# Altium PCB ECG_Ctrl_V1.0_ZM_20211208.PcbDoc (part 2 of 2)
Units mm, origin at the board's own origin, x right, y up, seen from the top; angles counter-clockwise.
Board outline 95.22 x 89.27 mm, 2 copper layers (Top Layer, Bottom Layer); 220 components, 162 nets, 692 pads, 673 vias.
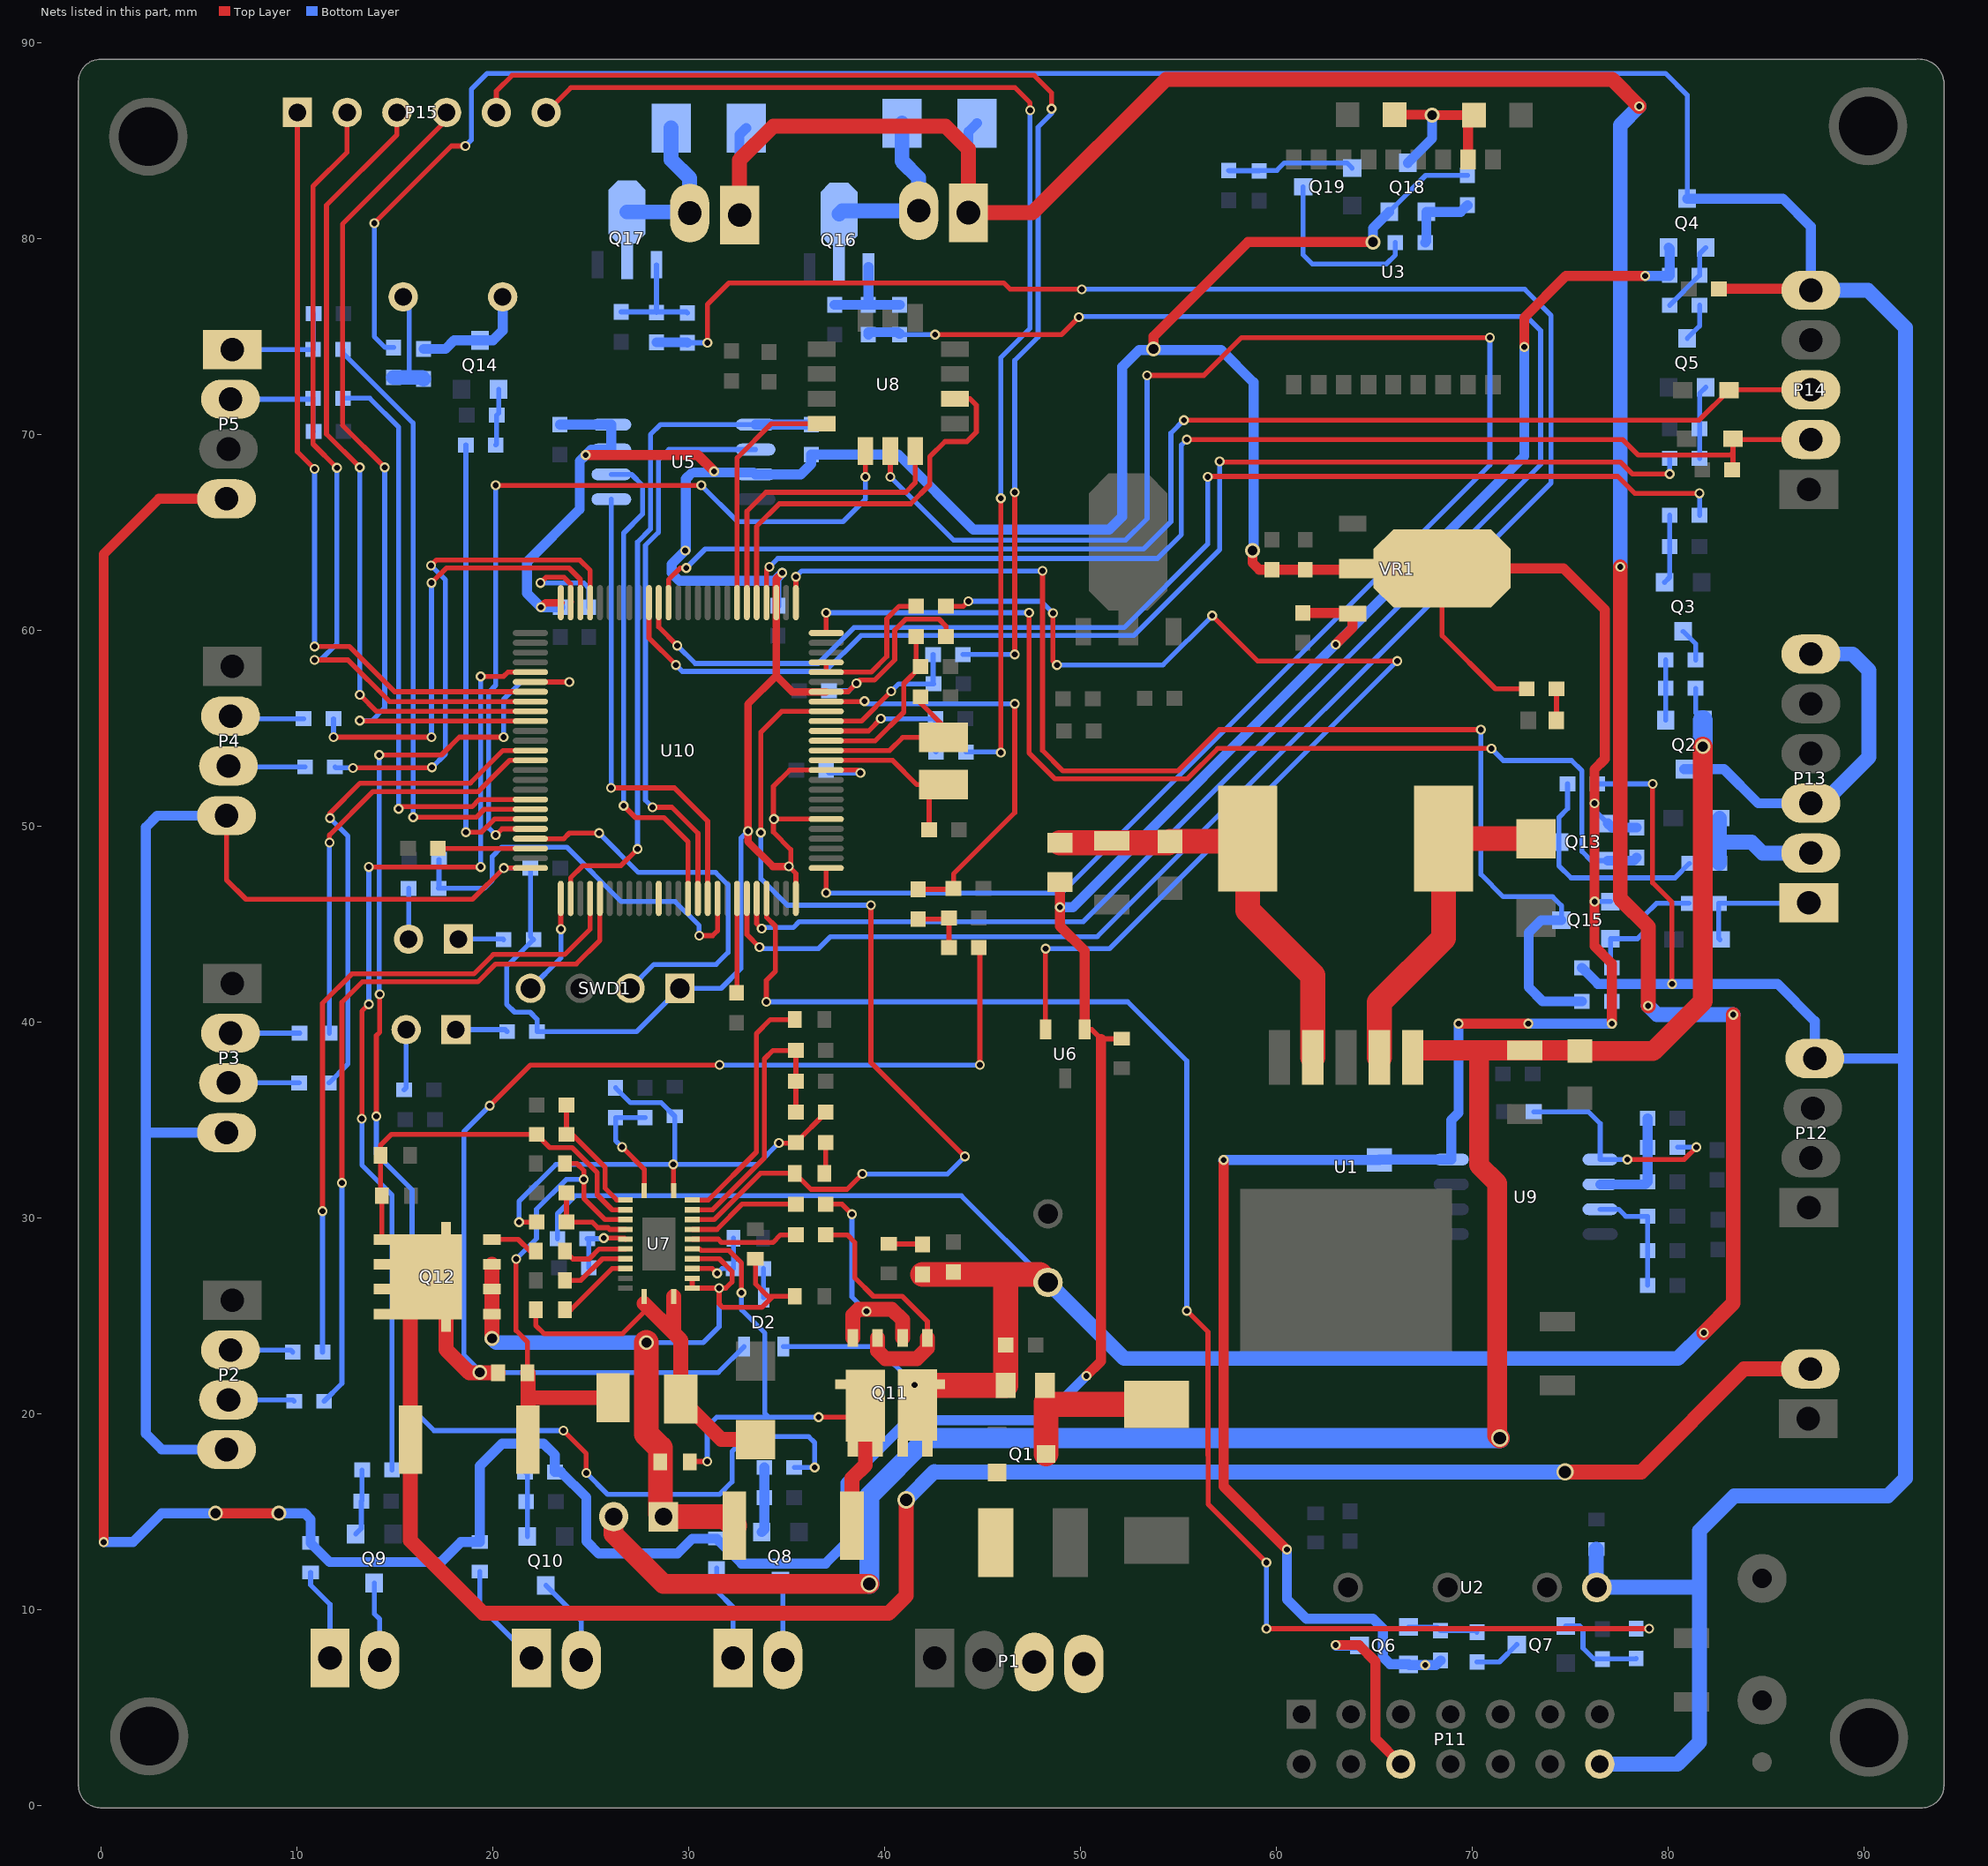
[diagram p2: the nets of this part, all layers, seen from the top]

## Via types
v1: diameter 0.762, hole 0.508, Top Layer to Bottom Layer, tented both sides, 445 vias
v2: diameter 0.508, hole 0.305, Top Layer to Bottom Layer, tented both sides, 222 vias
v3: diameter 0.889, hole 0.635, Top Layer to Bottom Layer, tented both sides, 4 vias
v4: diameter 1.016, hole 0.635, Top Layer to Bottom Layer, tented both sides, 2 vias

## Nets (pads, with @x,y where several pads share a name; then routed paths per layer and width w, separated by ;. In a path a pad name is that pad's centre, name@x,y a point inside that pad or via, vN(x,y) a via of type N, cw(c..) or ccw(c..) an arc to the next point about the centre after c; other vN are vias at no path point) (continued)
KEY2: R184.2 TVS41.1 U10.92 | length 21.2
  Top Layer w0.254: v2(30.556,44.399) 31.242,44.399 31.489,44.647 U10.92@31.489,46.298
  Bottom Layer w0.254: TVS41.1@17.272,48.285 17.272,46.838 R184.2@17.247,46.812 19.583,46.812 19.99,47.219 19.99,48.438 20.472,48.92 23.791,48.92 26.575,46.137 29.327,46.137 30.556,44.907 v2(30.556,44.399)
LED1: R29.1 U10.55 | length 49.6
  Top Layer w0.254: v2(13.335,35.052) 13.335,40.538 v2(13.691,40.894) ; v2(13.691,47.904) v2(19.406,47.904) ; v2(19.406,57.633) 20.574,57.633 20.789,57.848 U10.55@21.939,57.848
  Bottom Layer w0.254: v2(13.335,35.052) 13.335,32.69 14.873,31.152 R29.1@14.873,17.12 ; v2(13.691,40.894) v2(13.691,47.904) ; v2(19.406,47.904) v2(19.406,57.633)
LED2: R28.1 U10.56 | length 76.1
  Top Layer w0.254: v2(14.072,35.179) 14.072,39.294 14.249,39.472 v2(14.249,41.402) ; v2(14.224,53.619) 17.399,53.619 18.313,54.534 v2@20.549,54.534 ; U10.56@21.939,57.348 v2(23.932,57.348) ; v2(23.622,19.126) 24.79,17.958 v2(24.79,16.967)
  Bottom Layer w0.254: v2(14.072,35.179) 14.072,33.249 15.9,31.42 15.9,20.244 17.018,19.126 v2(23.622,19.126) ; v2(14.224,53.619) 14.224,41.427 v2(14.249,41.402) ; v2(20.574,54.534) 20.574,56.467 21.455,57.348 v2(23.932,57.348) ; v2(24.79,16.967) 25.883,15.875 31.598,15.875 32.233,16.51 32.233,18.059 32.995,18.821 36.144,18.821 36.449,18.517 v2(36.449,17.247) R28.1@35.408,17.247
LED_BLUE: U10.86
MMR_CS: U8.5 U10.71 | length 42.6
  Top Layer w0.254: v2(20.168,49.53) 20.486,49.848 U10.71@21.939,49.848 ; v2(20.168,67.386) v2(30.658,67.386) ; v2(39.04,67.818) U8.5@39.04,69.138
  Bottom Layer w0.254: v2(20.168,49.53) 19.812,49.886 19.812,56.82 20.168,57.175 v2(20.168,67.386) ; v2(30.658,67.386) 32.512,65.532 37.897,65.532 39.04,66.675 v2(39.04,67.818)
MMR_DIN: U8.4 U10.32 | length 12.4
  Top Layer w0.254: U10.32@32.489,61.398 32.489,68.786 34.236,70.533 U8.4@36.81,70.533
MMR_DO: U8.7 U10.31 | length 15.5
  Top Layer w0.254: U10.31@32.989,61.398 32.989,66.06 33.96,67.031 41.097,67.031 41.58,67.513 U8.7@41.58,69.138
MMR_RD: U8.6 U10.1 | length 92.5
  Top Layer w0.254: v2(37.039,46.577) U10.1@37.039,47.848 ; v2(40.31,67.818) U8.6@40.31,69.138 ; v2(53.416,73) 56.312,73 58.242,74.93 v2(70.917,74.93)
  Bottom Layer w0.254: v2(37.039,46.577) 49.067,46.577 70.917,68.428 v2(70.917,74.93) ; v2(40.31,67.818) 43.536,64.592 52.324,64.592 53.416,65.684 v2(53.416,73)
MMR_SCLK: U8.9 U10.30 | length 20.5
  Top Layer w0.254: U10.30@33.489,61.398 33.489,65.29 34.646,66.446 41.351,66.446 42.329,67.424 42.329,68.847 43.104,69.621 44.221,69.621 44.704,70.104 44.704,71.476 44.377,71.803 U8.9@43.61,71.803
MOTOR: C166.2 R188.2 U10.95 | length 110.4
  Top Layer w0.254: v2(30.975,74.663) 30.975,76.619 32.08,77.724 46.101,77.724 46.431,77.394 v2(50.089,77.394) ; U10.95@32.989,46.298 32.989,44.455 v2(33.63,43.815)
  Bottom Layer w0.254: C166.2@29.953,74.663 v2(30.975,74.663) ; v2(33.63,43.815) 33.706,43.739 36.652,43.739 37.262,44.348 50.876,44.348 74.041,67.513 74.041,76.048 72.695,77.394 v2(50.089,77.394)
  Bottom Layer w0.508: R188.2@28.378,74.689 29.928,74.689 C166.2@29.953,74.663
NetBEEP1_1: BEEP1.1 R56.1 R58.2 | length 5.8
  Bottom Layer w0.254: BEEP1.1@15.443,77.013 15.748,76.708 15.748,72.898
  Bottom Layer w0.762: R56.1@14.961,72.898 15.748,72.898 16.408,72.898 R58.2@16.485,72.822
NetBEEP1_2: BEEP1.2 Q14.3 R58.1 | length 6.2
  Bottom Layer w0.508: R58.1@16.485,74.346 17.602,74.346 18.045,74.788 Q14.3@19.37,74.788 20.026,74.788 20.523,75.286 BEEP1.2@20.523,77.013
NetC2_1: C2.1 C4.2 F1.1 L1.2 U1.4 | length 22.2
  Top Layer w1.27: F1.1@48.971,49.134 54.508,49.134 C4.2@54.585,49.211 58.409,49.211 L1.2@58.551,49.352 58.551,45.691 61.876,42.365 U1.4@61.876,38.175
NetC19_1: C19.1 R24.1 U10.16 | length 7.8
  Top Layer w0.254: U10.16@37.039,55.348 38.838,55.348 v2(40.361,56.871)
  Bottom Layer w0.254: v2(40.361,56.871) 40.742,57.252 C19.1@42.52,57.252 42.494,57.277 R24.1@42.494,58.75
NetC20_1: C20.1 R23.1 U10.15 | length 7.6
  Top Layer w0.254: U10.15@37.039,54.848 39.202,54.848 v2(39.827,55.474)
  Bottom Layer w0.254: v2(39.827,55.474) C20.1@42.621,55.474 42.621,53.797 R23.1@42.647,53.772
NetC22_1: C22.1 C23.2 C25.1 P9.1 Q12.1 Q12.2 Q12.3 R34.2 U7.2 U7.3 U7.5 | length 43.7
  Top Layer w0.254: U7.3@30.202,26.901 30.202,26.403 U7.2@30.201,26.401 v2(31.572,26.401) ; U7.5@30.202,27.901 31.586,27.901 32.233,27.254 32.233,26.721 31.913,26.401 v2(31.572,26.401) ; C25.1@33.424,27.901 33.424,26.621 34.057,25.988 34.319,25.988 ; C22.1@35.445,25.988 34.319,25.988 ; v2(31.572,26.401) 31.572,25.603 31.757,25.418 33.749,25.418 34.319,25.988
  Top Layer w0.762: v1(19.984,23.831) Q12.1@19.984,25.079 Q12.2@19.984,26.349 Q12.3@19.984,27.619
  Top Layer w1.27: v1(27.864,23.622) 27.864,18.948 28.575,18.237 C23.2@28.575,17.526 28.575,14.884 P9.1@28.727,14.732 31.897,14.732 R34.2@32.354,14.275
  Bottom Layer w0.254: v1(27.864,23.622) 30.759,23.622 31.572,24.435 v2(31.572,26.401)
  Bottom Layer w0.762: v1(19.984,23.831) 20.193,23.622 v1(27.864,23.622)
NetC23_1: C23.1 Q11.5 Q11.6 R34.1 U7.6 | length 28.5
  Top Layer w0.254: C23.1@30.075,17.526 30.103,17.554 v2(30.963,17.554) ; 30.582,28.401 30.662,28.321 32.08,28.321 32.715,27.686 v2(32.715,26.162) ; v2(36.652,19.812) 38.449,19.812 Q11.5@39.038,20.4
  Top Layer w0.762: R34.1@38.354,14.275 38.354,16.688 39.038,17.371 Q11.5@39.038,20.4
  Bottom Layer w0.254: v2(30.963,17.554) 30.963,19.329 31.445,19.812 34.112,19.812 ; v2(32.715,26.162) 32.715,25.298 33.909,24.105 33.909,20.015 34.112,19.812 ; v2(36.652,19.812) 34.112,19.812
NetC24_1: C24.1 R35.1 | length 1.7
  Top Layer w0.254: C24.1@40.231,28.657 41.932,28.657 R35.1@41.959,28.63
NetC27_2: C27.2 C28.2 L4.2 R40.1 U7.16 | length 25
  Top Layer w0.254: v2(21.209,27.889) 21.209,24.237 21.791,23.655 C28.2@21.791,22.077 ; C27.2@23.711,32.763 24.311,32.763 24.663,32.41 v2(24.663,31.953) 24.663,30.988 25.75,29.901 U7.16@26.795,29.901
  Top Layer w0.762: C28.2@21.791,22.077 21.816,22.051 21.816,20.93 ; R40.1@21.816,18.673 21.816,20.93 ; L4.2@26.16,20.807 21.939,20.807 21.816,20.93
  Bottom Layer w0.254: v2(21.209,27.889) 22.25,28.931 22.25,30.429 23.774,31.953 v2(24.663,31.953)
NetC29_1: C29.1 D4.2 L4.1 U7.1 U7.24 | length 19.9
  Top Layer w0.254: C29.1@22.211,25.302 22.211,24.499 22.631,24.079 26.645,24.079 27.749,25.183 27.749,25.617 U7.24@27.749,25.974
  Top Layer w0.762: U7.24@27.749,25.617 29.249,24.117 ; U7.1@29.249,25.974 29.249,24.117 ; D4.2@33.424,18.673 31.685,18.673 L4.1@29.61,20.748 29.61,23.756 29.249,24.117
NetC29_2: C29.2 U7.21 | length 4
  Top Layer w0.254: C29.2@23.711,25.302 24.007,25.302 26.106,27.401 U7.21@26.795,27.401
NetC32_1: C32.1 R45.2 U7.4 | length 3.9
  Top Layer w0.254: U7.4@30.202,27.401 31.226,27.401 v2(31.471,27.157)
  Bottom Layer w0.254: v2(31.471,27.157) 31.715,27.401 R45.2@32.312,27.401 32.307,27.406 C32.1@32.307,28.956
NetC33_2: C33.2 U7.20 | length 3.5
  Top Layer w0.254: C33.2@23.711,26.795 24.509,26.795 25.615,27.901 U7.20@26.795,27.901
NetC34_1: C34.1 U7.11 | length 12.6
  Top Layer w0.254: U7.11@30.202,30.901 31.028,30.901 33.477,33.35 33.477,39.395 34.192,40.111 C34.1@35.445,40.111
NetC36_1: C36.1 U10.12 Y1.2 | length 8.1
  Top Layer w0.254: U10.12@37.039,53.348 40.429,53.348 41.67,52.107 42.291,52.107 C36.1@42.291,49.809
NetC37_1: C37.1 R61.1 R63.2 U9.2 | length 5.7
  Bottom Layer w0.508: U9.2@76.546,31.699 78.837,31.699 R63.2@78.969,31.831 R61.1@78.969,33.594 C37.1@78.969,35.077
NetC39_2: C39.2 U10.49 | length 6.4
  Top Layer w0.254: v2(22.454,62.408) 22.733,62.687 23.658,62.687 23.989,62.355 U10.49@23.989,61.398 U10.49@24.028,61.437
  Bottom Layer w0.254: v2(22.454,62.408) 24.663,62.408 24.917,62.154 C39.2@24.917,61.163
NetC40_2: C40.2 R78.1 U10.14 | length 8.9
  Top Layer w0.254: U10.14@37.039,54.348 39.54,54.348 40.996,55.804 40.996,57.268 C40.2@41.859,58.132 41.631,58.361 R78.1@41.631,59.673
NetC41_2: C41.2 R65.2 R66.2 U9.3 | length 6.1
  Bottom Layer w0.254: U9.3@76.546,30.429 77.495,30.429 77.856,30.069 R65.2@78.969,30.069 C41.2@78.969,28.321 R66.2@78.969,26.543
NetC45_2: C45.2 U10.73 | length 4.7
  Top Layer w0.254: C45.2@17.221,48.848 U10.73@21.939,48.848
NetC50_1: C50.1 U10.13 Y1.1 | length 8.8
  Top Layer w0.254: U10.13@37.039,53.848 40.278,53.848 40.945,54.515 Y1.1@43.028,54.515 43.028,55.093 41.859,56.261 C50.1@41.859,56.591
NetC165_1: C165.1 Q16.1 R187.1 R189.1 | length 5.3
  Bottom Layer w0.508: R189.1@37.465,76.606 R187.1@39.192,76.606 ; Q16.1@39.194,78.54 39.194,76.608 R187.1@39.192,76.606 ; C165.1@40.792,76.606 R187.1@39.192,76.606
NetC166_1: C166.1 Q17.1 R188.1 R190.1 | length 5.8
  Bottom Layer w0.254: R190.1@26.575,76.238 R188.1@28.373,76.238 ; Q17.1@28.373,78.642 R188.1@28.373,76.238 ; R188.1@28.378,76.213 28.373,76.218 R188.1@28.373,76.238 ; C166.1@29.953,76.187 29.902,76.238 R188.1@28.373,76.238
NetD1_1: D1.1 F2.1 Q1.3 | length 8.3
  Top Layer w1.27: Q1.3@48.265,17.932 48.265,20.574 48.367,20.472 D1.1@53.899,20.472
NetD2_3: D2.3 R45.1 | length 1.5
  Bottom Layer w0.254: R45.1@33.836,27.401 33.836,25.931 D2.3@33.849,25.919
NetD3_2: D3.2 L1.1 U1.2 | length 17.3
  Top Layer w1.27: U1.2@65.276,38.175 65.276,40.994 68.551,44.268 L1.1@68.551,49.352 73.266,49.352 D3.2@73.279,49.339
NetD7_1: D7.1 P22.2 Q16.2 | length 9
  Bottom Layer w0.762: Q16.2@37.694,81.24 37.859,81.405 P22.2@41.758,81.405 41.758,83.083 40.909,83.932 D7.1@40.909,85.877
NetD8_1: D8.1 P27.2 Q17.2 | length 8
  Bottom Layer w0.762: Q17.2@26.873,81.342 30.02,81.342 P27.2@30.074,81.288 30.074,83.058 29.124,84.008 D8.1@29.124,85.623
NetDS1_1: DS1.1 P1.3 P1.4 Q1.2
NetL3_2: L3.2 U10.21 U10.22 | length 7.6
  Top Layer w0.254: U10.22@37.039,58.348 U10.21@37.039,57.848 39.331,57.848 40.132,58.649 40.132,60.579 40.767,61.214 L3.2@41.631,61.214
NetLED1_1: LED1.1 R1.2 | length 1.6
  Top Layer w0.254: LED1.1@74.309,55.384 74.32,55.395 R1.2@74.32,56.998
NetLED2_1: LED2.1 R49.2 | length 1.6
  Top Layer w0.254: LED2.1@36.945,32.265 37.013,32.333 R49.2@37.013,33.828
NetNC_2: NC.2@36.271,70.485 U5.1 U10.77 | length 34.9
  Top Layer w0.254: U10.77@23.989,46.298 23.989,47.346 24.612,47.968 26.556,47.968 v2(27.407,48.819)
  Bottom Layer w0.254: v2(27.407,48.819) 27.407,64.491 28.067,65.151 28.067,69.977 28.575,70.485 U5.1@33.436,70.485
  Bottom Layer w0.508: U5.1@33.436,70.485 NC.2@36.271,70.485
NetP2_2: P2.2 R20.1 | length 3.2
  Bottom Layer w0.254: P2.2@6.628,23.241 9.703,23.241 R20.1@9.804,23.139
NetP2_3: P2.3 R19.1 | length 3.4
  Bottom Layer w0.254: P2.3@6.528,20.701 9.804,20.701 R19.1@9.881,20.625
NetP3_2: P3.2 R22.1 | length 3.5
  Bottom Layer w0.254: P3.2@6.628,39.421 R22.1@10.16,39.421
NetP3_3: P3.3 R21.1 | length 3.6
  Bottom Layer w0.254: P3.3@6.528,36.881 R21.1@10.135,36.881
NetP4_2: P4.2 R11.1 | length 3.8
  Bottom Layer w0.254: P4.2@6.628,55.601 6.755,55.474 R11.1@10.363,55.474
NetP4_3: P4.3 R9.1 | length 3.9
  Bottom Layer w0.254: P4.3@6.528,53.061 6.579,53.01 R9.1@10.439,53.01
NetP5_1: P5.1 R12.1 TVS4.2 | length 6
  Bottom Layer w0.254: P5.1@6.728,74.32 R12.1@10.846,74.32 10.871,74.346 TVS4.2@10.871,76.149
NetP5_2: P5.2 R10.1 TVS3.2 | length 6
  Bottom Layer w0.254: P5.2@6.628,71.78 10.795,71.78 R10.1@10.846,71.831 10.846,70.155 TVS3.2@10.871,70.129
NetP6_1: P6.1 R25.1 | length 4.9
  Bottom Layer w0.254: R25.1@31.445,12.116 31.445,10.947 32.283,10.109 P6.1@32.283,7.518
NetP6_2: P6.2 Q8.3 | length 4.1
  Bottom Layer w0.254: Q8.3@34.696,11.45 34.823,11.323 P6.2@34.823,7.418
NetP7_1: P7.1 R26.1 | length 4.8
  Bottom Layer w0.254: R26.1@10.719,11.887 10.719,11.252 11.709,10.262 P7.1@11.709,7.518
NetP7_2: P7.2 Q9.3 | length 4
  Bottom Layer w0.254: Q9.3@13.97,11.348 13.97,9.779 14.249,9.5 P7.2@14.249,7.418
NetP8_1: P8.1 R27.1 | length 5.5
  Bottom Layer w0.254: R27.1@19.355,11.937 19.355,10.16 P8.1@21.996,7.518
NetP8_2: P8.2 Q10.3 | length 4.6
  Bottom Layer w0.254: Q10.3@22.733,11.223 24.536,9.419 P8.2@24.536,7.418
NetP10_1: P10.1 R47.1 R50.2 U7.10 | length 14.8
  Top Layer w0.254: U7.10@30.202,30.401 31.239,30.401 33.884,33.045 33.884,38.1 34.32,38.536 P10.1@35.489,38.536 R50.2@35.489,36.967 R47.1@35.489,35.398
NetP14_2: P14.2 R54.2 TVS1.2 U10.29 | length 62.4
  Top Layer w0.254: U10.29@33.989,61.398 33.989,63.072 v2(34.138,63.221) ; v2(55.448,69.723) 77.699,69.723 78.486,68.936 83.197,68.936 83.324,69.063 ; R54.2@83.287,68.174 83.324,68.211 83.324,69.063 ; P14.2@87.3,69.723 83.374,69.723 TVS1.2@83.324,69.774 83.324,69.063
  Bottom Layer w0.254: v2(34.138,63.221) 34.569,63.652 53.95,63.652 55.169,64.872 55.169,69.444 v2(55.448,69.723)
NetP14_3: P14.3 TVS6.2 U10.39 | length 66.1
  Top Layer w0.254: U10.39@28.989,61.398 28.989,62.568 29.591,63.17 v2(29.896,63.17) ; v2(55.296,70.714) 81.596,70.714 TVS6.2@83.12,72.238 83.146,72.263 P14.3@87.3,72.263
  Bottom Layer w0.254: v2(29.896,63.17) 30.861,64.135 53.238,64.135 54.635,65.532 54.635,70.053 v2(55.296,70.714)
NetP16_1: P16.1 R183.1 | length 2.3
  Bottom Layer w0.254: P16.1@18.263,44.221 20.549,44.221 R183.1@20.574,44.196
NetP16_2: P16.2 R184.1 | length 2.6
  Bottom Layer w0.254: P16.2@15.723,44.221 R184.1@15.723,46.812
NetP17_1: P17.1 R185.1 | length 2.7
  Bottom Layer w0.254: P17.1@18.136,39.599 20.65,39.599 R185.1@20.752,39.497
NetP17_2: P17.2 R186.1 | length 3.1
  Bottom Layer w0.254: R186.1@15.494,36.525 15.596,36.627 P17.2@15.596,39.599
NetQ2_1: Q2.1 R2.2 R3.2 | length 3.1
  Bottom Layer w0.254: Q2.1@79.891,55.397 R2.2@79.891,57.023 R3.2@79.891,58.471
NetQ3_1: Q3.1 R4.2 R5.2 | length 3.5
  Bottom Layer w0.254: Q3.1@79.832,62.433 80.094,62.695 R5.2@80.094,64.262 R4.2@80.094,65.862
NetQ3_3: Q3.3 R3.1 | length 1.7
  Bottom Layer w0.254: Q3.3@80.782,59.933 81.415,59.3 R3.1@81.415,58.471
NetQ4_1: Q4.1 R6.2 R7.2 | length 3.7
  Bottom Layer w0.254: R7.2@80.094,76.581 R6.2@81.618,78.105 81.618,79.202 Q4.1@81.938,79.522
NetQ5_1: Q5.1 R13.2 R14.2 | length 3.8
  Bottom Layer w0.254: R13.2@81.618,68.758 R14.2@81.618,70.282 81.618,72.07 Q5.1@81.938,72.39
NetQ5_3: Q5.3 R7.1 | length 2
  Bottom Layer w0.254: Q5.3@80.988,74.89 81.618,75.52 R7.1@81.618,76.581
NetQ6_1: Q6.1 R15.2 R16.2 | length 3.6
  Bottom Layer w0.254: Q6.1@66.762,9.103 68.214,9.103 R15.2@68.402,8.915 70.18,8.915 R16.2@70.256,8.839
NetQ7_1: Q7.1 R17.2 R18.2 | length 4.9
  Bottom Layer w0.254: Q7.1@74.788,9.154 75.504,9.154 75.667,8.992 75.667,8.026 76.225,7.468 R18.2@76.657,7.468 78.359,7.468 R17.2@78.384,7.493
NetQ7_3: Q7.3 R16.1 | length 2.4
  Bottom Layer w0.254: R16.1@70.256,7.315 71.399,7.315 Q7.3@72.288,8.204
NetQ8_1: Q8.1 R28.2 R31.1 | length 3.4
  Bottom Layer w0.508: Q8.1@33.746,13.95 33.884,14.087 R31.1@33.884,15.697 R28.2@33.884,17.247
NetQ9_1: Q9.1 R29.2 R32.1 | length 3.4
  Bottom Layer w0.254: Q9.1@13.02,13.848 13.31,14.138 R32.1@13.31,15.519 13.349,15.559 R29.2@13.349,17.12
NetQ10_1: Q10.1 R30.2 R33.1 | length 3.3
  Bottom Layer w0.254: R30.2@21.666,17.018 21.783,16.901 Q10.1@21.783,13.723
NetQ11_1: Q11.1 Q11.3 R36.1 | length 13
  Top Layer w0.254: R36.1@37.013,29.121 38.113,29.121 38.506,28.727 38.506,26.924 39.446,25.984 40.919,25.984 42.204,24.7 Q11.1@42.204,23.852
  Top Layer w0.762: Q11.3@39.664,23.852 39.664,23.201 40.069,22.796 41.668,22.796 42.204,23.332 Q11.1@42.204,23.852
NetQ11_2: Q11.2 Q11.4 R37.2 | length 11.8
  Top Layer w0.254: R37.2@37.013,30.69 37.839,30.69 v2(38.354,30.175)
  Top Layer w0.762: Q11.4@38.394,23.852 38.394,25.033 38.684,25.324 40.386,25.324 40.934,24.776 Q11.2@40.934,23.852
  Bottom Layer w0.254: v2(38.354,30.175) 38.354,25.959 v2(39.091,25.222)
NetQ12_4: Q12.4 R39.2 | length 2.5
  Top Layer w0.254: Q12.4@19.984,28.889 21.318,28.889 21.92,28.287 R39.2@22.211,28.287
NetQ13_2: Q13.2 R62.1 U10.25 | length 55.6
  Top Layer w0.254: U10.25@37.039,59.848 v2(37.039,60.884) ; v2(47.396,60.884) 47.396,53.721 48.717,52.4 55.474,52.4 57.023,53.95 v2(70.993,53.95)
  Bottom Layer w0.254: v2(37.039,60.884) v2(47.396,60.884) ; v2(70.993,53.95) 71.603,53.34 75.082,53.34 75.616,52.807 75.616,48.692 76.083,48.224 Q13.2@76.942,48.224
  Bottom Layer w0.508: Q13.2@76.942,48.224 78.247,48.224 R62.1@78.41,48.387
NetQ13_3: Q13.3 R55.2 R60.1 | length 11.6
  Bottom Layer w0.254: R60.1@74.879,52.146 74.879,50.876 74.442,50.439 Q13.3@74.442,49.174 74.442,47.962 75.058,47.346 80.366,47.346 R55.2@81.102,48.082
NetQ14_1: Q14.1 R57.2 R59.1 | length 2.9
  Bottom Layer w0.254: R57.2@20.168,69.444 20.218,69.494 R59.1@20.218,70.968 20.32,71.069 Q14.1@20.32,72.288
NetQ15_2: Q15.2 R52.2 R53.2 | length 6.8
  Bottom Layer w0.254: R52.2@77.14,42.748 77.069,42.819 Q15.2@77.069,44.237 78.45,44.237 78.778,44.564 78.778,45.402 79.426,46.05 R53.2@81.077,46.05
NetQ15_3: Q15.3 R67.2 U10.26 | length 67.5
  Top Layer w0.254: U10.26@35.489,61.398 v2(35.489,62.718) ; v2(48.082,63.017) 48.082,53.848 49.124,52.807 54.991,52.807 57.099,54.915 v2(70.46,54.915)
  Bottom Layer w0.254: v2(35.489,62.718) 35.789,63.017 v2(48.082,63.017) ; v2@70.46,54.889 70.46,47.523 71.599,46.384 74.113,46.384 74.569,45.929 Q15.3@74.569,45.187
  Bottom Layer w0.508: Q15.3@74.569,45.187 73.533,45.187 72.898,44.552 72.898,41.758 73.609,41.046 R67.2@75.616,41.046
NetQ18_1: Q18.1 R68.2 R69.2 | length 3.8
  Bottom Layer w0.508: R69.2@67.615,79.781 67.676,79.842 Q18.1@67.676,81.345 69.433,81.345 R68.2@69.774,81.686
NetQ19_1: Q19.1 R70.2 R71.2 | length 8.1
  Bottom Layer w0.254: R71.2@59.131,83.439 57.607,83.439 R70.2@57.582,83.464 60.046,83.464 60.427,83.845 63.617,83.845 Q19.1@63.886,83.576
NetQ19_3: Q19.3 R69.1 | length 9.2
  Bottom Layer w0.254: Q19.3@61.386,82.626 61.386,79.152 61.849,78.689 65.634,78.689 66.091,79.146 R69.1@66.091,79.781
NetR36_2: R36.2 U7.7 | length 5.5
  Top Layer w0.254: U7.7@30.202,28.901 31.525,28.901 31.699,28.727 34.315,28.727 34.709,29.121 R36.2@35.489,29.121
NetR37_1: R37.1 U7.8 | length 5.8
  Top Layer w0.254: U7.8@30.202,29.401 31.459,29.401 32.748,30.69 R37.1@35.489,30.69
NetR38_1: R38.1 R41.2 U7.17 | length 4.7
  Top Layer w0.254: R41.2@23.78,31.265 R38.1@23.78,29.773 25.091,29.773 25.375,29.489 25.9,29.489 25.989,29.401 U7.17@26.795,29.401
NetR39_1: R39.1 U7.19 | length 3.5
  Top Layer w0.254: R39.1@23.711,28.287 24.109,27.889 24.943,27.889 25.455,28.401 U7.19@26.795,28.401
NetR42_2: R42.2 R44.2 U7.13 | length 5.8
  Top Layer w0.254: v2(26.619,33.604) 27.749,32.475 U7.13@27.749,31.38
  Bottom Layer w0.254: v2(26.619,33.604) 26.287,33.937 R42.2@26.287,35.107 R44.2@27.795,35.107
NetR43_1: R43.1 R46.2 U7.18 | length 3.5
  Top Layer w0.254: v2(25.679,28.956) 26.74,28.956 U7.18@26.795,28.901
  Bottom Layer w0.254: R46.2@24.917,27.432 24.917,28.849 R43.1@24.841,28.925 25.649,28.925 v2(25.679,28.956)
NetR48_2: R48.2 R51.1 U7.14 | length 6.5
  Top Layer w0.254: R51.1@23.78,35.742 R48.2@23.78,34.25 24.069,34.25 25.756,32.563 25.756,31.496 26.35,30.901 U7.14@26.795,30.901
NetR57_1: R57.1 U10.70 | length 23.3
  Top Layer w0.254: v2(18.644,49.682) 19.443,49.682 20.109,50.348 U10.70@21.939,50.348
  Bottom Layer w0.254: v2(18.644,49.682) R57.1@18.644,69.444
NetR61_2: R61.2 R64.1 U9.1 | length 11.6
  Top Layer w0.254: v2(77.927,32.969) 80.833,32.969 v2(81.458,33.594)
  Bottom Layer w0.254: R64.1@73.152,35.408 75.946,35.408 76.546,34.808 U9.1@76.546,32.969 v2(77.927,32.969) ; R61.2@80.493,33.594 v2(81.458,33.594)
NetR79_2: R79.2 U10.94 | length 4.8
  Top Layer w0.254: R79.2@32.461,41.478 32.489,41.506 U10.94@32.489,46.298
NetR180_2: R180.2 R181.1 R182.1 | length 3.1
  Top Layer w0.254: R181.1@41.732,45.237 43.243,45.237 R182.1@43.307,45.301 R180.2@43.307,43.79
NetU5_2: U5.2 U10.90 | length 29.5
  Top Layer w0.254: v2(28.169,50.952) 29.159,50.952 30.489,49.622 U10.90@30.489,46.298
  Bottom Layer w0.254: v2(28.169,50.952) 27.813,51.308 27.813,64.322 28.473,64.983 28.473,68.682 29.007,69.215 U5.2@33.436,69.215
NetU5_5: U5.5 U10.91 | length 24.3
  Top Layer w0.254: v2(26.06,51.943) 29.286,51.943 30.989,50.24 U10.91@30.989,46.298
  Bottom Layer w0.254: v2@26.07,51.943 U5.5@26.07,66.675
NetU5_6: U5.6 U10.89 | length 25.5
  Top Layer w0.254: v2(26.695,51.029) 27.305,50.419 28.753,50.419 29.989,49.182 U10.89@29.989,46.298
  Bottom Layer w0.254: U5.6@26.07,67.945 27.102,67.945 27.661,67.386 27.661,65.913 26.695,64.948 v2(26.695,51.029)
OUT1: P15.1 U10.57 | length 39.6
  Top Layer w0.254: P15.1@10.042,86.427 10.042,69.104 v2(10.922,68.224) ; v2(10.922,59.157) 12.7,59.157 15.009,56.848 U10.57@21.939,56.848
  Bottom Layer w0.254: v2(10.922,59.157) v2(10.922,68.224)
OUT2: P15.2 U10.58 | length 41.7
  Top Layer w0.254: v2(10.922,58.471) 12.624,58.471 14.747,56.348 U10.58@21.939,56.348 ; v2(12.065,68.275) 10.846,69.494 10.846,82.652 12.582,84.388 P15.2@12.582,86.427
  Bottom Layer w0.254: v2(10.922,58.471) 11.227,58.471 12.065,59.309 v2(12.065,68.275)
OUT3: P15.3 U10.59 | length 41
  Top Layer w0.254: v2(13.233,56.693) 14.078,55.848 U10.59@21.939,55.848 ; v2(13.233,68.301) 11.532,70.002 11.532,81.686 15.122,85.277 P15.3@15.122,86.427
  Bottom Layer w0.254: v2(13.233,56.693) v2(13.233,68.301)
OUT4: P15.4 U10.60 | length 43.8
  Top Layer w0.254: v2(13.233,55.372) 13.257,55.348 U10.60@21.939,55.348 ; v2(14.503,68.301) 12.344,70.46 12.344,80.721 17.662,86.039 P15.4@17.662,86.427
  Bottom Layer w0.254: v2(13.233,55.372) 13.843,55.372 14.503,56.032 v2(14.503,68.301)
POW_EN_3.3V: R17.1 U10.97 | length 79.2
  Top Layer w0.254: v2(33.985,41.021) 33.985,42.113 34.442,42.57 34.442,44.882 33.989,45.335 U10.97@33.989,46.298 ; v2(55.448,25.248) 56.528,24.168 56.528,17.882 56.54,17.869 56.54,15.367 v2(59.512,12.395) ; v2(59.512,9.017) v2(79.045,9.017)
  Bottom Layer w0.254: v2(33.985,41.021) 52.426,41.021 55.448,37.998 v2(55.448,25.248) ; v2(59.512,9.017) v2(59.512,12.395) ; R17.1@78.384,9.017 v2(79.045,9.017)
POW_EN_5V: R13.1 U10.41 | length 62.8
  Top Layer w0.254: U10.41@27.989,61.398 27.989,59.59 v2(29.362,58.217) ; v2(57.125,68.605) 57.15,68.58 77.572,68.58 78.189,67.962 v2(80.094,67.962)
  Bottom Layer w0.254: v2(29.362,58.217) 29.693,57.887 36.982,57.887 38.811,59.715 52.73,59.715 57.125,64.11 v2(57.125,68.605) ; v2(80.094,67.962) R13.1@80.094,68.758
PRESS_EN: R4.1 U10.40 | length 62.6
  Top Layer w0.254: U10.40@28.489,61.398 28.489,60.157 v2(29.439,59.207) ; v2(56.515,67.818) 56.54,67.843 77.445,67.843 78.308,66.98 v2(81.618,66.98)
  Bottom Layer w0.254: v2(29.439,59.207) 30.353,58.293 36.627,58.293 38.456,60.122 52.248,60.122 56.515,64.389 v2(56.515,67.818) ; R4.1@81.618,65.862 v2(81.618,66.98)
RXD: P13.2 R55.1 TVS5.2 | length 7.2
  Bottom Layer w0.762: R55.1@82.626,48.082 82.638,48.094 82.638,49.174 ; TVS5.2@82.638,50.394 82.638,49.174 ; P13.2@87.3,48.616 84.836,48.616 84.277,49.174 82.638,49.174
RXD2: R11.2 U10.48 | length 23.2
  Top Layer w0.254: v2(11.887,54.534) v2(16.891,54.534) ; v2(16.891,62.408) 17.653,63.17 23.904,63.17 24.489,62.584 U10.48@24.489,61.398
  Bottom Layer w0.254: v2(11.887,54.534) R11.2@11.887,55.474 ; v2(16.891,54.534) v2(16.891,62.408)
RXD3: R12.2 U10.69 | length 31.5
  Top Layer w0.254: v2(15.951,50.444) 19.18,50.444 19.583,50.848 U10.69@21.939,50.848
  Bottom Layer w0.254: R12.2@12.37,74.32 12.37,74.149 15.951,70.568 v2(15.951,50.444)
RXD4: R22.2 U10.64 | length 21.9
  Top Layer w0.254: v2(11.684,49.149) 11.684,49.53 13.908,51.754 19.285,51.754 20.879,53.348 U10.64@21.939,53.348
  Bottom Layer w0.254: R22.2@11.684,39.421 v2(11.684,49.149)
RXD5: R20.2 U10.79 | length 34.6
  Top Layer w0.254: v2(11.328,30.328) 11.328,40.945 12.827,42.443 19.05,42.443 20.041,43.434 23.694,43.434 24.989,44.729 U10.79@24.989,46.298
  Bottom Layer w0.254: R20.2@11.328,23.139 v2(11.328,30.328)
SWCLK: SWD1.4 U10.76 | length 5.2
  Top Layer w0.254: U10.76@23.489,46.298 23.489,44.735 v2(23.495,44.729)
  Bottom Layer w0.254: SWD1.4@21.946,41.707 23.495,43.256 v2(23.495,44.729)
SWDIO: SWD1.2 U10.72 | length 20.5
  Top Layer w0.254: U10.72@21.939,49.348 23.643,49.348 23.927,49.632 v2(25.451,49.632)
  Bottom Layer w0.254: v2(25.451,49.632) 27.457,47.625 31.394,47.625 32.029,46.99 32.029,43.536 31.42,42.926 28.245,42.926 SWD1.2@27.026,41.707
TA: P15.6 R23.2 | length 61.1
  Top Layer w0.254: P15.6@22.742,86.427 24.003,87.688 46.678,87.688 47.447,86.919 v2(47.447,86.538) ; v2(45.949,53.746) v2(45.949,66.726)
  Bottom Layer w0.254: R23.2@44.171,53.772 45.923,53.772 v2(45.949,53.746) ; v2(45.949,66.726) 45.949,73.906 47.447,75.405 v2(47.447,86.538)
TB: P15.5 R24.2 | length 62.2
  Top Layer w0.254: P15.5@20.202,86.427 20.202,87.512 21.006,88.316 47.65,88.316 48.539,87.427 v2(48.539,86.614) ; v2(46.66,58.75) v2(46.66,67.031)
  Bottom Layer w0.254: R24.2@44.018,58.75 v2(46.66,58.75) ; v2(46.66,67.031) 46.66,73.762 47.854,74.955 47.854,85.674 48.539,86.36 v2(48.539,86.614)
TXD: P13.1 R53.1 TVS2.2 | length 6.5
  Bottom Layer w0.254: TVS2.2@82.663,44.196 82.601,44.258 R53.1@82.601,46.05 87.174,46.05 P13.1@87.2,46.076
TXD2: R9.2 U10.47 | length 26
  Top Layer w0.254: v2(12.878,52.959) 16.891,52.959 v2(16.916,52.984) ; v2(16.866,63.297) 17.145,63.576 24.46,63.576 24.989,63.047 U10.47@24.989,61.398
  Bottom Layer w0.254: R9.2@11.963,53.01 12.014,52.959 v2(12.878,52.959) ; v2(16.866,63.297) 17.598,62.564 17.598,53.666 v2(16.916,52.984)
TXD3: R10.2 U10.68 | length 29.9
  Top Layer w0.254: v2(15.215,50.876) 15.316,50.978 18.959,50.978 19.329,51.348 U10.68@21.939,51.348
  Bottom Layer w0.254: R10.2@12.37,71.831 13.741,71.831 15.215,70.358 v2(15.215,50.876)
TXD4: R21.2 U10.63 | length 26.1
  Top Layer w0.254: v2(11.709,50.394) 11.709,50.648 13.243,52.181 18.874,52.181 20.541,53.848 U10.63@21.939,53.848
  Bottom Layer w0.254: R21.2@11.659,36.881 12.624,37.846 12.624,49.479 v2(11.709,50.394)
TXD5: R19.2 U10.80 | length 37.4
  Top Layer w0.254: v2(12.319,31.775) 12.319,40.996 13.36,42.037 19.253,42.037 20.168,42.951 24.282,42.951 25.489,44.158 U10.80@25.489,46.298
  Bottom Layer w0.254: R19.2@11.405,20.625 12.319,21.539 v2(12.319,31.775)
V5.0: C9.1 C35.2 P11.14 P12.4 P14.5 Q4.3 R52.1 R56.2 R60.2 U2.1 | length 231.9
  Top Layer w0.254: v2(13.97,80.772) 17.907,84.709 v2(18.618,84.709) ; v2(79.223,52.143) 79.223,47.092 80.213,46.101 v2(80.213,41.935)
  Top Layer w0.508: C35.2@82.601,77.419 87.224,77.419 P14.5@87.3,77.343
  Bottom Layer w0.254: v2(13.97,80.772) 13.97,74.981 14.529,74.422 R56.2@14.961,74.422 ; v2(18.618,84.709) 18.923,85.014 18.923,87.605 19.736,88.417 79.883,88.417 80.988,87.312 Q4.3@80.988,82.022 ; R60.2@76.403,52.146 76.403,52.143 v2(79.223,52.143)
  Bottom Layer w0.508: R52.1@75.616,42.748 76.429,41.935 v2(80.213,41.935) 85.598,41.935 87.5,40.034 P12.4@87.5,38.125 92.1,38.125 92.126,38.1 ; Q4.3@80.988,82.022 85.872,82.022 87.3,80.594 P14.5@87.3,77.343
  Bottom Layer w0.762: C9.1@76.353,13.081 76.353,11.15 U2.1@76.378,11.125 81.483,11.125 81.61,11.252 ; P11.14@76.531,2.108 80.501,2.108 81.61,3.218 81.61,11.252 ; P14.5@87.3,77.343 90.221,77.343 92.126,75.438 92.126,38.1 92.126,16.688 91.237,15.799 83.388,15.799 81.61,14.021 81.61,11.252
V12: C6.2 C7.2 C8.1 D2.1 D7.2 D8.2 F2.2 P22.1 P27.1 Q11.7 Q11.8 R35.2 R43.2 | length 222.1
  Top Layer w0.762: P27.1@32.614,81.188 32.614,83.998 34.341,85.725 43.129,85.725 44.298,84.557 P22.1@44.298,81.305 47.574,81.305 54.381,88.113 77.165,88.113 v2(78.537,86.741) ; v2(77.572,63.221) 77.572,46.279 78.994,44.856 v2(78.994,40.818) ; v2(81.839,24.13) 83.337,25.629 v2(83.337,40.361)
  Top Layer w1.27: R35.2@41.959,27.106 46.177,27.106 ; Q11.8@42.299,21.502 42.363,21.438 F2.2@46.203,21.438 C7.2@46.203,23.504 46.203,27.08 46.177,27.106 ; C8.1@48.362,26.695 47.951,27.106 46.177,27.106
  Bottom Layer w0.254: R43.2@23.317,28.925 23.317,30.201 24.232,31.115 43.942,31.115 C8.1@48.362,26.695 ; D2.1@34.849,23.419 39.599,23.419 v2(41.554,21.463)
  Bottom Layer w0.508: P27.1@32.614,81.188 32.614,85.283 D8.2@32.954,85.623 ; P22.1@44.298,81.305 44.298,85.436 D7.2@44.739,85.877
  Bottom Layer w0.762: C8.1@48.362,26.695 52.248,22.809 80.518,22.809 v2(81.839,24.13) ; v2(77.572,63.221) 77.572,85.776 v2(78.537,86.741) ; v2(78.994,40.818) 79.451,40.361 v2(83.337,40.361)
V12_SYS: C1.1 C3.2 P9.2 Q2.2 R2.1 U1.1 | length 105.3
  Top Layer w1.016: P9.2@26.187,14.732 26.187,13.843 28.727,11.303 v3(39.243,11.303) ; U1.1@66.976,38.175 67.343,38.541 70.282,38.541 ; v3(71.425,18.745) 71.298,18.872 71.298,31.75 70.358,32.69 70.358,38.465 70.282,38.541 ; v1(81.788,54.051) 81.788,41.046 79.246,38.504 C3.2@75.514,38.504 75.477,38.541 C1.1@72.695,38.541 70.282,38.541
  Bottom Layer w0.254: R2.1@81.415,57.023 81.415,55.773 Q2.2@81.791,55.397
  Bottom Layer w1.016: v3(39.243,11.303) 39.243,15.799 42.189,18.745 v3(71.425,18.745) ; v1(81.788,54.051) 81.788,55.394 Q2.2@81.791,55.397
V12_SYS_OUT: P13.3 P13.6 Q2.3 | length 18.9
  Bottom Layer w0.508: Q2.3@80.841,52.897 82.866,52.897 84.607,51.156 P13.3@87.3,51.156
  Bottom Layer w0.762: P13.3@87.3,51.156 87.909,51.156 90.272,53.518 90.272,57.937 89.433,58.776 P13.6@87.3,58.776
VALUE: C165.2 R187.2 U10.96 | length 93.2
  Top Layer w0.254: U10.96@33.489,46.298 33.489,45.012 v2(33.746,44.755) ; v2(42.596,75.082) 49.047,75.082 v2(49.936,75.971)
  Bottom Layer w0.254: v2(33.746,44.755) 33.797,44.806 35.357,44.806 35.662,45.11 50.165,45.11 73.508,68.453 73.508,75.286 72.796,75.997 49.962,75.997 v2(49.936,75.971) ; C165.2@40.792,75.082 v2(42.596,75.082)
  Bottom Layer w0.508: R187.2@39.192,75.082 39.192,75.207 40.685,75.207 40.765,75.127 C165.2@40.792,75.127
VBAT: C28.1 C30.1 C31.1 D2.2 P28.2 Q12.5 Q12.6 Q12.7 Q12.8 R40.2 R48.1 R180.1 U7.15 | length 178.8
  Top Layer w0.254: Q12.5@14.387,28.889 14.349,28.927 C31.1@14.349,31.119 14.289,31.179 C30.1@14.289,33.176 14.289,33.694 14.844,34.25 R48.1@22.256,34.25 22.927,33.579 24.07,33.579 25.349,32.299 25.349,31.166 26.114,30.401 U7.15@26.795,30.401 ; v2(19.863,35.712) 21.946,37.795 v2(31.598,37.795) ; R180.1@44.831,43.79 44.882,43.739 v2(44.882,37.795)
  Top Layer w0.762: Q12.8@16.609,25.81 15.816,25.017 R40.2@15.816,18.673 15.816,13.521 19.533,9.804 40.234,9.804 41.123,10.693 v3(41.123,15.596) ; Q12.8@17.634,24.984 17.634,23.26 18.817,22.077 C28.1@20.291,22.077 ; v3(74.752,17.018) 78.638,17.018 83.896,22.276 P28.2@87.273,22.276
  Bottom Layer w0.254: v2(19.863,35.712) 18.542,34.392 18.542,22.987 19.355,22.174 v1(19.355,22.098) 31.528,22.098 D2.2@32.849,23.419 ; v2(31.598,37.795) v2(44.882,37.795)
  Bottom Layer w0.762: v3(41.123,15.596) 42.57,17.043 42.596,17.018 v3(74.752,17.018)
VBAT_ADC: C164.1 R181.2 U10.18 | length 22.2
  Top Layer w0.254: U10.18@37.039,56.348 38.974,56.348 v2(38.989,56.363) ; R181.2@41.732,46.761 43.485,46.761 C164.1@43.536,46.812 43.536,47.549 46.66,50.673 v2(46.66,56.236)
  Bottom Layer w0.254: v2(38.989,56.363) 39.116,56.236 v2(46.66,56.236)
VBAT_STA: LED2.2 U7.9 U10.17 | length 48.2
  Top Layer w0.254: U7.9@30.202,29.901 31.314,29.901 33.678,32.265 LED2.2@35.445,32.265 36.264,31.445 38.1,31.445 v2(38.887,32.233) ; v2(33.706,49.657) 33.706,54.788 34.766,55.848 U10.17@37.039,55.848 ; v2(39.319,45.949) 39.319,37.922 v2(44.12,33.122)
  Bottom Layer w0.254: v2(33.706,49.657) 33.706,47.295 35.052,45.949 v2(39.319,45.949) ; v2(38.887,32.233) 43.231,32.233 v2(44.12,33.122)
VCC_REF: C26.1 R38.2 R42.1 R47.2 R49.1 U7.12 | length 27
  Top Layer w0.254: v2(21.357,29.773) R38.2@22.256,29.773 ; v2(29.235,32.715) 29.249,32.702 U7.12@29.249,31.38 ; v2(34.62,33.807) 35.468,33.807 R49.1@35.489,33.828 37.013,35.352 R47.2@37.013,35.398
  Bottom Layer w0.254: v2(21.357,29.773) 21.357,30.831 23.241,32.715 v2(29.235,32.715) ; R42.1@26.287,36.631 27.049,35.869 28.616,35.869 C26.1@29.309,35.175 29.309,32.789 v2(29.235,32.715) ; v2(34.62,33.807) 33.528,32.715 v2(29.235,32.715)
VDD3V3: C5.2 C10.2 C17.2 C51.2 C52.2 C55.2 C56.2 C57.2 NC.1 P2.4 P3.4 P4.4 Q6.2 Q13.1 Q15.1 Q18.2 R1.1 R15.1 R62.2 R67.1 R68.1 R78.2 R183.2 R185.2 SWD1.1 U5.3 U5.7 U5.8 U9.8 U10.6 U10.11 U10.19 U10.28 U10.50 U10.75 U10.100 VR1.2 VR1.4 | length 357.4
  Top Layer w0.254: P4.4@6.428,50.521 6.428,47.242 7.417,46.253 18.985,46.253 v2(20.58,47.848) U10.75@21.939,47.848 ; U10.100@35.489,46.298 35.489,47.569 v2(35.128,47.93) 35.23,48.031 35.23,48.793 34.341,49.682 v2@34.341,50.317 ; U10.6@37.039,50.348 v2(34.371,50.348) v2@34.341,50.317 ; U10.19@37.039,56.848 38.154,56.848 v2(38.583,57.277) 38.747,57.442 39.5,57.442 40.538,58.48 40.538,59.995 41.097,60.554 42.799,60.554 43.155,60.198 R78.2@43.155,59.673 ; v2(38.786,52.705) 38.643,52.848 U10.11@37.039,52.848 35.171,52.848 34.341,52.018 v2@34.341,50.317 ; VR1.4@68.48,63.147 68.48,59.714 71.196,56.998 R1.1@72.796,56.998
  Top Layer w0.381: v2(22.479,61.163) 22.714,61.398 U10.50@23.489,61.398 ; v2(34.798,62.916) 34.489,62.607 U10.28@34.489,61.398 34.489,57.662 ; v2(35.128,47.93) 34.315,47.93 33.045,49.2 v2(33.045,49.733) 33.045,56.218 34.489,57.662 ; U10.19@37.039,56.848 35.303,56.848 34.489,57.662
  Top Layer w0.508: v2(24.765,68.936) 30.48,68.936 v2(31.318,68.097) ; v1(53.746,74.346) 53.746,74.988 58.565,79.807 v1(64.948,79.807) ; v2(57.328,32.944) 57.328,16.281 v2(60.554,13.056) ; v1(58.801,64.059) 58.801,63.424 59.143,63.082 C10.2@59.792,63.082 C5.2@61.493,63.082 64.084,63.082 VR1.2@64.135,63.133 ; VR1.4@68.48,63.147 74.674,63.147 76.784,61.036 76.784,53.416 76.251,52.883 v2(76.251,51.156) 76.251,43.866 77.14,42.977 v2(77.14,39.903) ; v2(69.317,39.903) v2(72.873,39.903)
  Bottom Layer w0.254: v2(20.58,47.848) C55.2@21.939,47.848 21.939,44.355 R183.2@22.098,44.196 20.726,42.824 20.726,40.894 21.133,40.488 21.92,40.488 22.276,40.132 R185.2@22.276,39.497 27.356,39.497 SWD1.1@29.566,41.707 31.674,41.707 32.69,42.723 32.69,49.378 v2(33.045,49.733) ; C51.2@37.039,52.848 37.182,52.705 v2(38.786,52.705) ; C52.2@37.186,56.896 38.202,56.896 v2(38.583,57.277) ; Q18.2@65.776,81.345 67.641,83.21 R68.1@69.774,83.21 ; v2(76.251,51.156) 76.251,50.816 Q13.1@76.942,50.124 ; v2(76.261,46.137) Q15.1@77.069,46.137 ; v2(77.14,39.903) R67.1@77.14,41.046
  Bottom Layer w0.381: C57.2@34.569,61.239 34.569,62.687
  Bottom Layer w0.508: P2.4@6.428,18.161 3.124,18.161 2.311,18.974 2.311,34.315 ; P3.4@6.428,34.341 2.337,34.341 2.311,34.315 ; P4.4@6.428,50.521 2.896,50.521 2.311,49.936 2.311,34.315 ; NC.1@23.444,70.485 U5.8@26.07,70.485 U5.7@26.07,69.215 25.044,69.215 v2(24.765,68.936) 24.46,68.631 24.46,66.167 21.768,63.475 21.768,61.874 v2(22.479,61.163) C56.2@23.47,61.163 ; v2(34.798,62.916) 34.569,62.687 34.392,62.509 29.553,62.509 29.146,62.916 29.146,63.36 v2(29.845,64.059) 29.87,64.084 29.87,67.716 30.201,68.047 33.334,68.047 U5.3@33.436,67.945 35.738,67.945 36.271,68.478 NC.1@36.271,68.961 40.716,68.961 44.552,65.126 51.486,65.126 52.146,65.786 52.146,73.431 53.01,74.295 57.201,74.295 58.852,72.644 58.852,64.11 v1(58.801,64.059) ; v2@57.302,32.918 v2(57.328,32.944) C17.2@65.276,32.944 ; v2(60.554,13.056) 60.554,10.516 61.544,9.525 64.948,9.525 65.456,9.017 65.456,7.569 65.822,7.203 Q6.2@66.762,7.203 66.803,7.163 v2(67.615,7.163) 68.174,7.163 R15.1@68.402,7.391 ; v1(64.948,79.807) 64.948,80.517 Q18.2@65.776,81.345 ; C17.2@65.276,32.969 U9.8@68.946,32.969 68.946,34.986 69.317,35.357 v2(69.317,39.903) ; v2(72.873,39.903) v2(77.14,39.903) ; Q13.1@76.942,50.124 77.155,49.911 R62.2@78.41,49.911
VDD3V3_OUT: P11.6 Q6.3 | length 9.4
  Top Layer w0.508: v2(63.043,8.179) 64.237,8.179 65.075,7.341 65.075,3.404 P11.6@66.371,2.108
  Bottom Layer w0.508: v2(63.043,8.179) 63.068,8.153 Q6.3@64.262,8.153
VDD3V3_OUTB: C16.2 C18.2 Q18.3 U3.17 | length 9.4
  Top Layer w0.508: C18.2@66.052,86.309 67.945,86.309 v1(67.97,86.284) C16.2@70.104,86.284 69.799,85.979 U3.17@69.799,84.023
  Bottom Layer w0.508: Q18.3@66.726,83.845 67.97,85.09 v1(67.97,86.284)
VDD3V3A: L3.1 U6.2 | length 56.1
  Top Layer w0.254: L3.1@43.155,61.214 44.044,61.214 v2(44.298,61.468) ; U6.2@48.235,39.609 v2(48.235,43.732) ; v2(48.616,60.858) 48.616,58.42 v2(48.819,58.217) ; v2(56.744,60.731) 59.055,58.42 v2(66.192,58.42)
  Bottom Layer w0.254: v2(44.298,61.468) 48.006,61.468 v2(48.616,60.858) ; v2(48.235,43.732) 51.505,43.732 v2(66.192,58.42) ; v2(48.819,58.217) 54.229,58.217 v2(56.744,60.731)
VDD5V: C13.2 C21.1 F1.2 P5.4 Q4.2 R6.1 R25.2 R26.2 R27.2 R30.1 U6.1 VR1.3 | length 208.2
  Top Layer w0.254: U6.1@50.235,39.609 50.586,39.609 51.067,39.128 C21.1@52.121,39.128
  Top Layer w0.508: v2(0.152,13.437) 0.152,63.881 2.972,66.7 P5.4@6.428,66.7 ; v1(5.867,14.91) v1(9.093,14.91) ; F1.2@48.971,47.134 v2(48.971,45.847) 48.971,44.882 50.235,43.618 U6.1@50.235,39.609 ; v2(50.317,21.92) 51.067,22.67 51.067,39.128 ; C13.2@61.366,60.872 63.869,60.872 VR1.3@63.908,60.833 63.908,60.123 v2(63.043,59.258) ; v2(72.669,74.447) 72.669,75.946 74.803,78.08 v2(78.842,78.08)
  Bottom Layer w0.508: v2(0.152,13.437) 1.651,13.437 3.124,14.91 v1(5.867,14.91) ; v1(9.093,14.91) 10.414,14.91 10.719,14.605 R26.2@10.719,13.387 11.685,12.421 17.374,12.421 18.39,13.437 R27.2@19.355,13.437 19.355,17.323 20.498,18.466 22.606,18.466 23.19,17.882 R30.1@23.19,17.018 23.495,17.018 24.79,15.723 24.79,13.487 25.425,12.852 29.44,12.852 30.203,13.616 R25.2@31.445,13.616 32.717,12.344 37.008,12.344 38.024,13.36 38.024,16.459 41.224,19.66 48.057,19.66 v2(50.317,21.92) ; v2(48.971,45.847) 49.632,45.847 v2(63.043,59.258) 72.669,68.885 v2(72.669,74.447) ; v2(78.842,78.08) 80.069,78.08 R6.1@80.094,78.105 80.094,79.466 Q4.2@80.038,79.522
pads on no net: U3.2 U3.3 U3.20 U3.21 U3.23 U3.24 U8.2 U8.10 U8.11 U8.12 U8.13 U8.14 U9.5 U9.6 U9.7 U10.2 U10.3 U10.38 U10.42 U10.43 U10.44 U10.61 U10.62 U10.65 U10.66 U10.67 U10.78 U10.81 U10.82 U10.83 U10.84 U10.85 U10.87 U10.88 U10.98

## Polygon pours and split planes (outlines as drawn)
GND on Top Layer "Top Layer-No Net" (solid, remove dead copper, pour order 0): -3.226,89.967 -2.108,91.084 96.876,91.084 96.876,-1.727 96.749,-1.854 93.523,-5.08 2.819,-5.08 -2.108,-5.08 -7.925,0.737 -2.972,5.69 -2.972,90.322
GND on Bottom Layer "Top Layer-No Net" (solid, remove dead copper, pour order 2): -3.861,89.586 -2.362,91.084 98.603,91.084 98.603,0.838 92.685,-5.08 91.567,-6.198 -4.089,-6.198 -4.089,4.343 -4.089,90.094

## Keep-outs
Keep-Out Layer:
  circle w0.127: c2.459,3.5 r3
  lines w0.254: -1,1 ccw(c0,1) 0,0 92.984,0 ; -1,1.025 -1,88.025 ; -1,88.011 cw(c0,88.011) 0,89.011 92.681,89.011 cw(c92.823,87.87) 93.964,88.011 ; 92.964,0 ccw(c92.964,1) 93.964,1 ; 93.964,1.025 93.964,88.025
Mechanical 1:
  lines w0.254: -23.089,284.328 cw(c-22.947,283.186) -21.806,283.328 ; -1,1 ccw(c0,1) 0,0 92.984,0 ; -1,1.025 -1,88.025 ; -1,88.011 cw(c0,88.011) 0,89.011 92.681,89.011 cw(c92.823,87.87) 93.964,88.011 ; 92.964,0 ccw(c92.964,1) 93.964,1 ; 93.964,1.025 93.964,88.025

## Other copper
Top Layer:
  rectangle net GND: 27.661,29.21 29.337,30.404
  rectangle net GND: 61.138,19.152 66.015,33.731
  pour cut-out: 59.233,16.129 59.309,16.205 70.383,16.205 70.383,9.83 70.358,9.855 58.852,9.855 58.852,15.723 59.233,16.104
  region net NetDS1_1: 51.435,5.563 51.714,5.842 51.714,8.636 50.343,10.008 48.59,10.008 47.269,11.328 47.269,17.225 46.791,17.704 44.831,17.704 44.475,17.348 44.475,11.049 46.482,9.042 46.482,5.766 46.685,5.563

## Silkscreen, mask and mechanical layers (free items; w line width, h text height)
Top Overlay:
  circle w0.5: c2.433,85.192 r2.5
  circle w0.5: c2.484,3.525 r2.5
  circle w0.5: c90.272,3.454 r2.5
  circle w0.5: c90.221,85.725 r2.5
  text "心音" at 96.139,71.222 h1.02
  text "血压" at 95.377,50.978 h1.02
  text "呼吸" at 95.86,33.503 h1.02
Mechanical 1:
  circle w0.127: c2.459,3.5 r3

## Text inside footprints (layer, text, board x,y; h text height)
C8: Top Overlay "+" at 49.073,27.76 h1.02 r270
P11: Top Overlay "13" at 78.384,4.394 h1.02; Top Overlay "14" at 78.41,1.626 h1.02; Top Overlay "1" at 58.166,4.445 h1.02; Top Overlay "2" at 57.988,1.626 h1.02
U2: Top Overlay "+Vout" at 63.297,15.57 h1.02 r270; Top Overlay "-Vin" at 73.457,14.935 h1.02 r270; Top Overlay "+Vin" at 75.997,14.935 h1.02 r270; Top Overlay "-Vout" at 68.377,15.57 h1.02 r270